# Altium PCB PCB1.PcbDoc (part 1 of 2)
Units mm, origin at the board's own origin, x right, y up, seen from the top; angles counter-clockwise.
Board outline 208 x 86 mm, 2 copper layers (Top Side, Bottom Layer), stack 1.571 mm thick; 59 components, 81 nets, 740 pads, 262 vias.
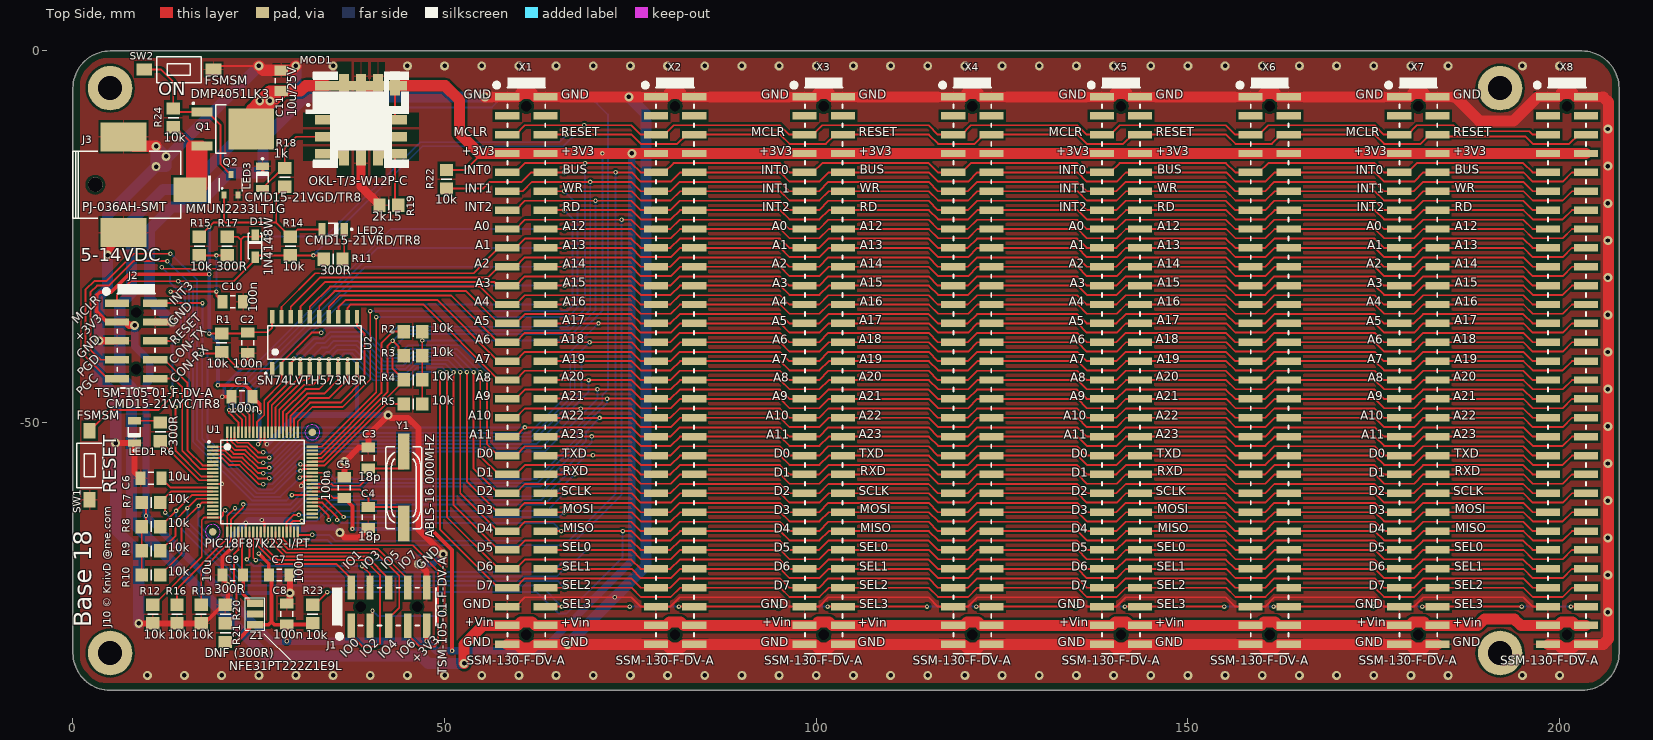
[diagram p0: Top Side view]
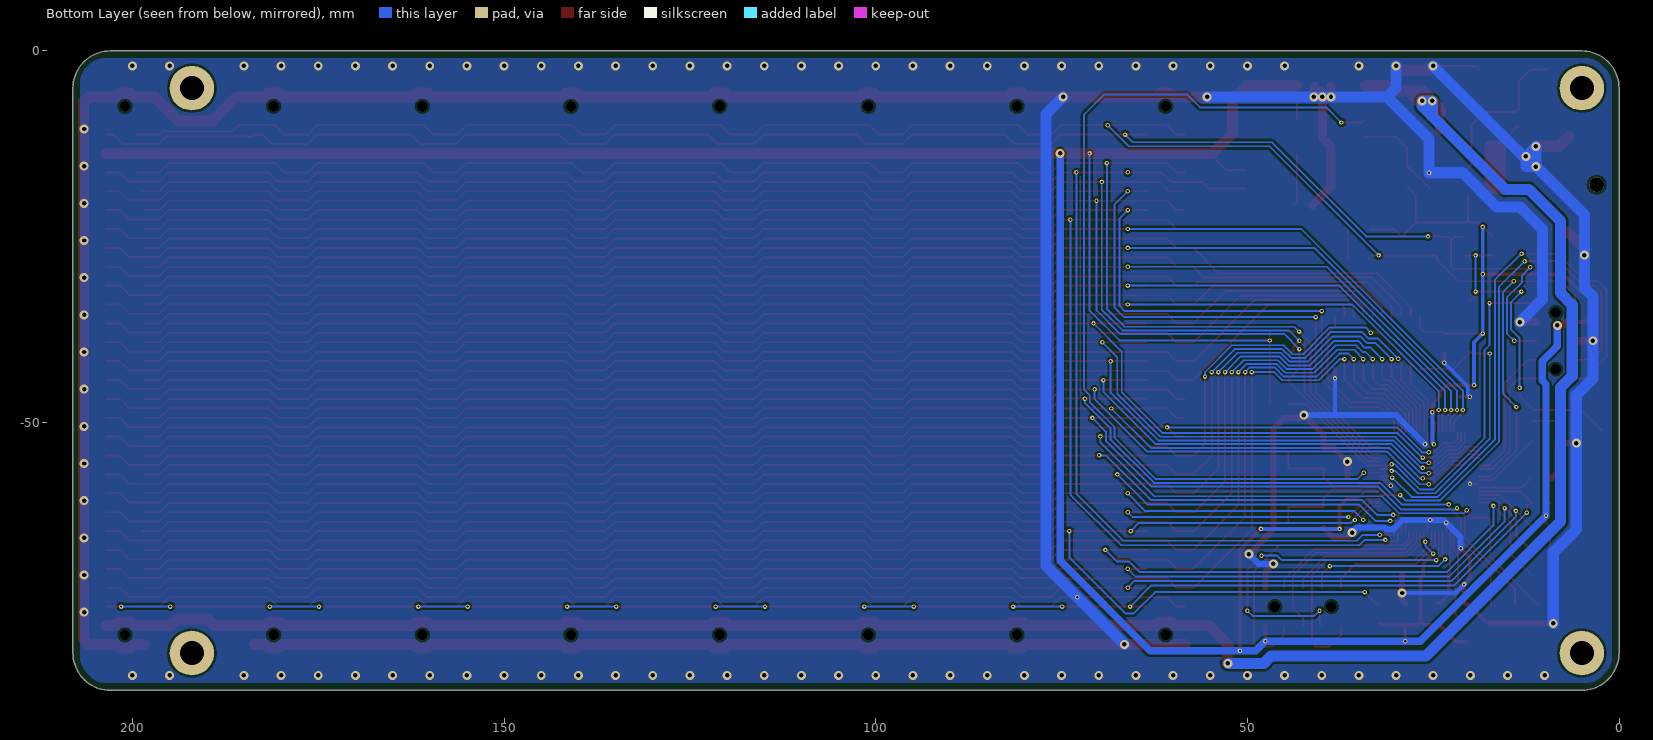
[diagram p1: Bottom Layer view, seen from below]
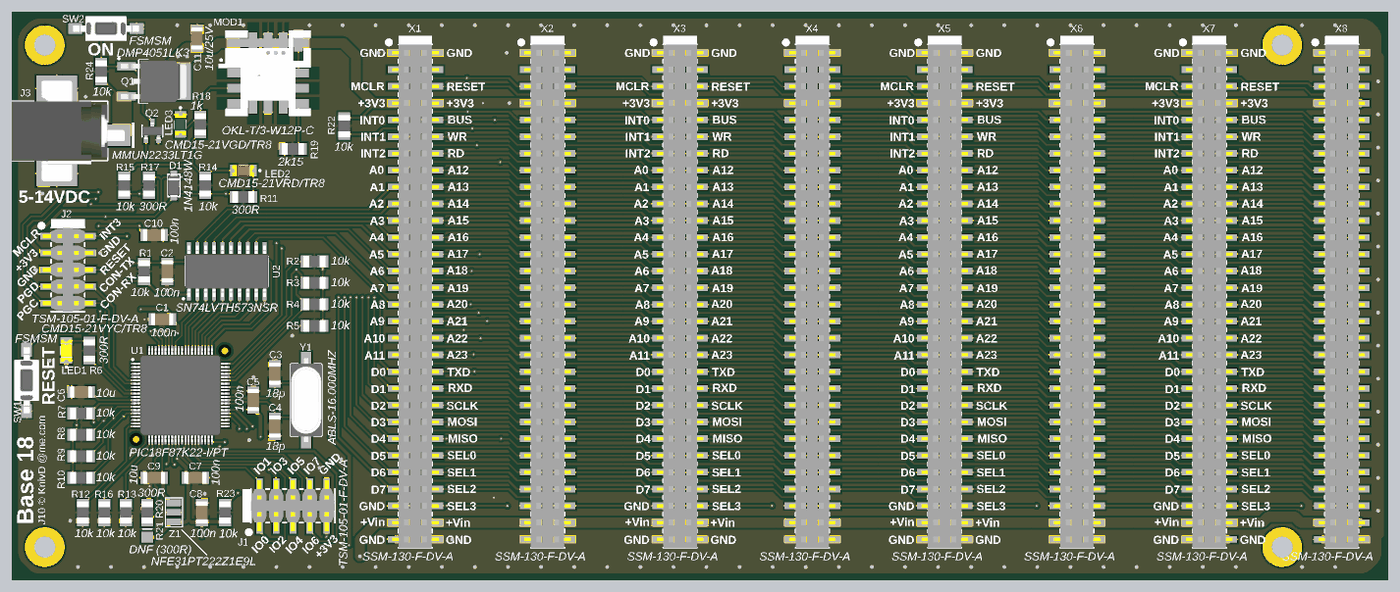
[diagram p3: 3D render of the assembled board from above, using the file's embedded part models]

## Layer stack, top to bottom
Top Solder: solder mask 0.0102, Solder Resist, Dk 3.5
Top Side: signal copper 0.0356
Dielectric 1: core 1.5, FR-4, Dk 4.2
Bottom Layer: signal copper 0.0356
Solder Side: solder mask 0.0102, Solder Resist, Dk 3.5

## Board outline
0,-81 0,-5 cw(c5,-5) 5,0 203,0 cw(c203,-5) 208,-5 208,-81 cw(c203,-81) 203,-86 5,-86 cw(c5,-81)

## Design rules (kind name [scope] priority, off if disabled: settings)
Clearance Clearance_Pour [IsRegion] p1: gap=0.3 ignorepadtopadclearanceinfootprint=TRUE
Clearance [All] p2: gap=0.2 ignorepadtopadclearanceinfootprint=TRUE
Height [All] p1: minheight=0 maxheight=100 prefheight=12.7
HoleSize [All] p1: absolutevalues=TRUE maxlimit=5 minlimit=0.025 maxpercent=80.000 minpercent=20.000
HoleToHoleClearance [All] p1: gap=0 allowstackedmicrovias=TRUE
MinimumSolderMaskSliver [All] p1: minsoldermaskwidth=0
PolygonConnect [All] p1: thpad.connectstyle=Relief thpad.reliefconductorwidth=0.25 thpad.reliefentries=4 thpad.polygonreliefangle="90 Angle" thpad.airgapwidth=0.25 smdpad.connectstyle=Relief smdpad.reliefconductorwidth=0.25 smdpad.reliefentries=4 smdpad.polygonreliefangle="90 Angle" smdpad.airgapwidth=0.25 via.connectstyle=Direct via.reliefconductorwidth=0.254 via.reliefentries=4 via.polygonreliefangle="45 Angle" via.airgapwidth=0.254
RoutingVias [All] p1: holewidth=0.3 width=0.6 viastyle="Through Hole" minholewidth=0.25 minwidth=0.5 maxholewidth=1.5 maxwidth=3
SilkToSilkClearance [All] p1: silktosilkclearance=-10
SilkToSolderMaskClearance [IsPad] p1: minsilkscreentomaskgap=-10 clearancetoexposedcopper=TRUE
SolderMaskExpansion SolderMaskExpansion_VIA [IsVia] p1: expansion=-0.3 soldermaskfromhole=TRUE
SolderMaskExpansion [All] p2: expansion=0.102
Width [All] p1: maxlimit=10 minlimit=0.2 preferedwidth=0.25
24 further rules are at their usual default settings.

## Classes and differential pairs
component class Sheet1: C1 C2 C3 C4 C5 C6 C7 C8 C9 C10 C11 D1 J1 J2 J3 LED1 LED2 LED3 MOD1 Q1 Q2 R1 R2 R3 R4 R5 R6 R7 R8 R9 R10 R11 R12 R13 R14 R15 R16 R17 R18 R19 R20 R21 R22 R23 R24 SW1 SW2 U1 U2 Y1 Z1
component class Sheet2: X1 X2 X3 X4 X5 X6 X7 X8

## Components (designator, comment, footprint, x,y, rotation, side; value= is the part's Value field where it differs from the comment)
C1 "100n" CAPC3216X110N 22.75,-46.5 r180 top
C2 "100n" CAPC3216X110N 23.5,-39.25 r270 top locked
C3 "18p" CAPC3216X110N 39.75,-54.75 r90 top locked
C4 "18p" CAPC3216X110N 39.75,-62.75 r90 top locked
C5 "100n" CAPC3216X110N 36.5,-58.75 r90 top locked
C6 "10u" CAPC3216X110N 10.5,-57.5 r180 top locked
C7 "100n" CAPC3216X110N 27.75,-70.5 r0 top locked
C8 "100n" CAPC3216X110N 28.75,-75.75 r90 top locked
C9 "10u" CAPC3216X110N 21.5,-70.5 r180 top locked
C10 "100n" CAPC3216X110N 21.5,-33.75 r180 top locked
C11 "10u/25V" CAPC3216X110N 28,-4 r90 top locked
D1 "1N4148W" SOD-123 24.5,-26.25 r270 top locked
J1 "TSM-105-01-F-DV-A" 2015-2X05XD 42.5,-74.75 r0 top locked
J2 "TSM-105-01-F-DV-A" 2015-2X05XD 8.5,-39 r270 top locked
J3 "PJ-036AH-SMT" PJ-036AH-SMT 15.75,-18.65 r0 top locked
LED1 "CMD15-21VYC/TR8" LED_OSRAM_LYN971 8.25,-51.25 r90 top locked
LED2 "CMD15-21VRD/TR8" LED_OSRAM_LHN974 35,-24 r180 top locked
LED3 "CMD15-21VGD/TR8" LED_OSRAM_LGN971 25.5,-17 r270 top locked
MOD1 "OKL-T/3-W12P-C" OKL-T/3-W12 38.75,-9.25 r0 top locked
Q1 "DMP4051LK3" TO228P991X239-3N-R546X521 21.5,-10.5 r0 top locked
Q2 "MMUN2233LT1G" SOT23-3 21.25,-18 r0 top locked
R1 "10k" RESC3216X75N 20,-39.25 r90 top locked
R2 "10k" RESC3216X75N 45.75,-37.75 r180 top locked
R3 "10k" RESC3216X75N 45.75,-41 r180 top locked
R4 "10k" RESC3216X75N 45.75,-44.25 r180 top locked
R5 "10k" RESC3216X75N 45.75,-47.5 r180 top locked
R6 "300R" RESC3216X75N 11.75,-51.25 r270 top locked
R7 "10k" RESC3216X75N 10.5,-60.75 r0 top locked
R8 "10k" RESC3216X75N 10.5,-64 r0 top locked
R9 "10k" RESC3216X75N 10.5,-67.25 r0 top locked
R10 "10k" RESC3216X75N 10.5,-70.5 r0 top locked
R11 "300R" RESC3216X75N 35,-28 r0 top locked
R12 "10k" RESC3216X75N 10.75,-75.75 r270 top locked
R13 "10k" RESC3216X75N 17.25,-75.75 r270 top locked
R14 "10k" RESC3216X75N 29.25,-26.25 r90 top locked
R15 "10k" RESC3216X75N 17,-26.25 r90 top locked
R16 "10k" RESC3216X75N 14,-75.75 r270 top locked
R17 "300R" RESC3216X75N 20.75,-26.25 r90 top locked
R18 "1k" RESC3216X75N 28.5,-17 r90 top locked
R19 "2k15" RESC3216X75N 42.5,-20.75 r0 top locked
R20 "300R" RESC3216X75N 20.5,-75.75 r90 top locked
R21 "DNF (300R)" RESC3216X75N 20.5,-78.25 r270 top locked
R22 "10k" RESC3216X75N 50.25,-17.25 r270 top locked
R23 "10k" RESC3216X75N 32.25,-75.75 r90 top locked
R24 "10k" RESC3216X75N 13.5,-9 r270 top locked
SW1 "FSMSM" PB_TYCO_FSMSM 2.25,-55.75 r90 top locked
SW2 "FSMSM" PB_TYCO_FSMSM 14.25,-2.5 r180 top locked
U1 "PIC18F87K22-I/PT" QFP50P1400X1400X120-80N 25.5,-58 r0 top locked
U2 "SN74LVTH573NSR" SOIC127P780X200-20N 32.5,-39.25 r90 top locked
X1 "SSM-130-F-DV-A" 2015-2X30XD 61,-43 r270 top locked
X2 "SSM-130-F-DV-A" 2015-2X30XD 81,-43 r270 top locked
X3 "SSM-130-F-DV-A" 2015-2X30XD 101,-43 r270 top locked
X4 "SSM-130-F-DV-A" 2015-2X30XD 121,-43 r270 top locked
X5 "SSM-130-F-DV-A" 2015-2X30XD 141,-43 r270 top locked
X6 "SSM-130-F-DV-A" 2015-2X30XD 161,-43 r270 top locked
X7 "SSM-130-F-DV-A" 2015-2X30XD 181,-43 r270 top locked
X8 "SSM-130-F-DV-A" 2015-2X30XD 201,-43 r270 top locked
Y1 "ABLS-16.000MHZ" XTAL1140X470X160N 44.5,-58.75 r90 top locked
Z1 "NFE31PT222Z1E9L" NFE31xx 24.5,-75.75 r90 top locked

## Footprints (in the part's own frame and the unit in brackets; to place one, negate y for a bottom-side part, rotate by r counter-clockwise, add the part's x,y. Pads: shape width x height; smd on the part's side, far side on the other; paste and mask are expansions set on the pad)
2015-2X05XD [mm] "Pin Header, 2.54mm x 2.54mm"
  round 0 hole 1.4 unplated: 0(-3.81,0) 0(3.81,0)
  rect 1x3.25 smd: 1(-5.08,-2.575) 2(-5.08,2.575) 3(-2.54,-2.575) 4(-2.54,2.575) 5(0,-2.575) 6(0,2.575) 7(2.54,-2.575) 8(2.54,2.575) 9(5.08,-2.575) 10(5.08,2.575)
  silkscreen extent -7.65,-4.3 6.35,2.54, body extent -6.35,-3.85 6.35,3.85, height 9.65
2015-2X30XD [mm] "Pin Header, 2.54mm x 2.54mm"
  round 0 hole 1.4 unplated: 0(-35.56,0) 0(35.56,0)
  rect 1x3.25 smd: 1(-36.83,-2.575) 2(-36.83,2.575) 3(-34.29,-2.575) 4(-34.29,2.575) 5(-31.75,-2.575) 6(-31.75,2.575) 7(-29.21,-2.575) 8(-29.21,2.575) 9(-26.67,-2.575) 10(-26.67,2.575) 11(-24.13,-2.575) 12(-24.13,2.575) 13(-21.59,-2.575) 14(-21.59,2.575) 15(-19.05,-2.575) 16(-19.05,2.575) 17(-16.51,-2.575) 18(-16.51,2.575) 19(-13.97,-2.575) 20(-13.97,2.575) 21(-11.43,-2.575) 22(-11.43,2.575) 23(-8.89,-2.575) 24(-8.89,2.575) 25(-6.35,-2.575) 26(-6.35,2.575) 27(-3.81,-2.575) 28(-3.81,2.575) 29(-1.27,-2.575) 30(-1.27,2.575) 31(1.27,-2.575) 32(1.27,2.575) 33(3.81,-2.575) 34(3.81,2.575) 35(6.35,-2.575) 36(6.35,2.575) 37(8.89,-2.575) 38(8.89,2.575) 39(11.43,-2.575) 40(11.43,2.575) 41(13.97,-2.575) 42(13.97,2.575) 43(16.51,-2.575) 44(16.51,2.575) 45(19.05,-2.575) 46(19.05,2.575) 47(21.59,-2.575) 48(21.59,2.575) 49(24.13,-2.575) 50(24.13,2.575) 51(26.67,-2.575) 52(26.67,2.575) 53(29.21,-2.575) 54(29.21,2.575) 55(31.75,-2.575) 56(31.75,2.575) 57(34.29,-2.575) 58(34.29,2.575) 59(36.83,-2.575) 60(36.83,2.575)
  silkscreen extent -39.4,-4.3 38.1,2.54, body extent -38.1,-3.52 38.1,3.52, height 7.37
CAPC3216X110N [mm] "Chip Capacitor, Body 3.2x1.6mm, IPC Medium Density"
  rect 1.35x1.8 smd: 1(-1.4,0) 2(1.4,0)
  silkscreen extent -0.35,-0.8 0.35,0.8, body extent -1.7,-0.9 1.7,0.9, height 1.1
LED_OSRAM_LGN971 [mm] "Green Chip LED, 2-Leads, Body 3.2 x1.6mm, IPC Medium Density"
  rect 1x1.75 smd: 1(-1.5,0) 2(1.5,0)
  silkscreen extent -2.62,-0.8 0.65,0.8, body extent -1.65,-0.85 1.65,0.85, height 1.2
LED_OSRAM_LHN974 [mm] "Red Chip LED, 2-Leads, Body 3.2 x1.6mm, IPC Medium Density"
  rect 1x1.75 smd: 1(-1.5,0) 2(1.5,0)
  silkscreen extent -2.63,-0.8 0.65,0.8, body extent -1.65,-0.85 1.65,0.85, height 1.2
LED_OSRAM_LYN971 [mm] "Yellow Chip LED, 2-Leads, Body 3.2 x1.6mm, IPC Medium Density"
  rect 1x1.75 smd: 1(-1.5,0) 2(1.5,0)
  silkscreen extent -2.62,-0.8 0.65,0.8, body extent -1.65,-0.85 1.65,0.85, height 1.2
NFE31xx [mm] "On-Board Type (DC) EMI Suppression Filters (EMIFIL)"
  rect 1.05x2.2 smd: 1(-1.45,0) 3(1.45,0)
  rect 1x2.2 smd: 2(0,0)
  silkscreen extent -2.2,-1.3 2.2,1.3, body extent -1.6,-0.8 1.6,0.8, height 1.6
OKL-T/3-W12 [mm] "[Murata] 12.7x12.7mm 3A DC-DC module"
  rect 3.2x1.3 smd: 1(-4.57,0) 2(-4.57,4.57) 4(4.57,4.57) 5(4.57,0) 6(4.57,-4.57) 9(-4.57,-4.57) 10(-4.57,-2.29) 11(4.57,-2.29)
  rect 3.26x1.3 smd: 2(-4.57,4.57)
  rect 1.3x3.2 smd: 2(-2.29,4.57) 3(0,4.57) 3(2.29,4.57) 7(0,-4.57) 8(-2.29,-4.57) 12(2.29,-4.57)
  rect 3.585x1.3 smd: 3(-0.15,4.57)
  rect 1.3x3.26 smd: 4(4.57,4.895)
  silkscreen extent -7.47,-6.48 6.47,6.47, body extent -6.48,-6.48 6.47,6.48, height 5.2
PB_TYCO_FSMSM [mm] "Body 3.5x6.0mm, Pushbutton Switch,  TYCO FSMSM Serie"
  rect 2.1x1.6 smd: 1(-4.65,0) 2(4.65,0)
  silkscreen extent -3,-1.75 3,1.75, body extent -5,-1.75 5,1.75, height 4.3
PJ-036AH-SMT [mm] "[CUI] Barrel Jack ID 2.1/5.5mm"
  round 2 hole 2 unplated: 0(-12.75,0.65)
  rect 4.4x3.3 smd: 1(0,0)
  rect 6.2x3.9 smd: 2(-8.95,7.1) 3(-8.95,-5.8)
  silkscreen extent -15.75,-3.85 2.8,5.15, body extent -15.75,-6.95 1.35,8.25, height 11
QFP50P1400X1400X120-80N [mm] "QFP, 0.50mm Pitch, Square, 80 pin, 12mm L X12mm  W X 1.2mm H, IPC Medium Density"
  rect 1.5x0.3 smd: 1(-6.7,4.75) 2(-6.7,4.25) 3(-6.7,3.75) 4(-6.7,3.25) 5(-6.7,2.75) 6(-6.7,2.25) 7(-6.7,1.75) 8(-6.7,1.25) 9(-6.7,0.75) 10(-6.7,0.25) 11(-6.7,-0.25) 12(-6.7,-0.75) 13(-6.7,-1.25) 14(-6.7,-1.75) 15(-6.7,-2.25) 16(-6.7,-2.75) 17(-6.7,-3.25) 18(-6.7,-3.75) 19(-6.7,-4.25) 20(-6.7,-4.75) 41(6.7,-4.75) 42(6.7,-4.25) 43(6.7,-3.75) 44(6.7,-3.25) 45(6.7,-2.75) 46(6.7,-2.25) 47(6.7,-1.75) 48(6.7,-1.25) 49(6.7,-0.75) 50(6.7,-0.25) 51(6.7,0.25) 52(6.7,0.75) 53(6.7,1.25) 54(6.7,1.75) 55(6.7,2.25) 56(6.7,2.75) 57(6.7,3.25) 58(6.7,3.75) 59(6.7,4.25) 60(6.7,4.75)
  rect 0.3x1.5 smd: 21(-4.75,-6.7) 22(-4.25,-6.7) 23(-3.75,-6.7) 24(-3.25,-6.7) 25(-2.75,-6.7) 26(-2.25,-6.7) 27(-1.75,-6.7) 28(-1.25,-6.7) 29(-0.75,-6.7) 30(-0.25,-6.7) 31(0.25,-6.7) 32(0.75,-6.7) 33(1.25,-6.7) 34(1.75,-6.7) 35(2.25,-6.7) 36(2.75,-6.7) 37(3.25,-6.7) 38(3.75,-6.7) 39(4.25,-6.7) 40(4.75,-6.7) 61(4.75,6.7) 62(4.25,6.7) 63(3.75,6.7) 64(3.25,6.7) 65(2.75,6.7) 66(2.25,6.7) 67(1.75,6.7) 68(1.25,6.7) 69(0.75,6.7) 70(0.25,6.7) 71(-0.25,6.7) 72(-0.75,6.7) 73(-1.25,6.7) 74(-1.75,6.7) 75(-2.25,6.7) 76(-2.75,6.7) 77(-3.25,6.7) 78(-3.75,6.7) 79(-4.25,6.7) 80(-4.75,6.7)
  round 1 smd paste-0.51 mask+0.5: FTG1(-6.7,-6.7) FTG2(6.7,6.7)
  Top Side keep-out circle w0.1: c-6.7,-6.7 r1
  Top Side keep-out circle w0.1: c6.7,6.7 r1
  silkscreen extent -7.32,-5.62 5.62,5.62, body extent -7.1,-7.1 7.1,7.1, height 1.2
RESC3216X75N [mm] "Chip Resistor, EIA 1206, Metric 3216, Body 3.2x1.6mm, IPC Medium Density"
  rect 1.65x1.8 smd: 1(-1.25,0) 2(1.25,0)
  silkscreen extent 0,-0.7 0,0.7, body extent -1.67,-0.87 1.68,0.88, height 0.75
SOD-123 [mm] "SOD-123/SOD-123F package"
  rect 1.5x1 smd: 1(-1.5,0) 2(1.5,0)
  silkscreen extent -1.7,-0.9 1.7,0.9, body extent -1.75,-0.9 1.75,0.9, height 1
SOIC127P780X200-20N [mm] "SOIC, 1.27mm Pitch; 20 Pin, 5.30mm W X 12.60mm L X 2.00mm H body, IPC Medium Density"
  rect 1.85x0.6 smd: 1(-3.5,5.715) 2(-3.5,4.445) 3(-3.5,3.175) 4(-3.5,1.905) 5(-3.5,0.635) 6(-3.5,-0.635) 7(-3.5,-1.905) 8(-3.5,-3.175) 9(-3.5,-4.445) 10(-3.5,-5.715) 11(3.5,-5.715) 12(3.5,-4.445) 13(3.5,-3.175) 14(3.5,-1.905) 15(3.5,-0.635) 16(3.5,0.635) 17(3.5,1.905) 18(3.5,3.175) 19(3.5,4.445) 20(3.5,5.715)
  silkscreen extent -4.27,-6.3 2.25,6.67, body extent -3.9,-6.3 3.9,6.3, height 2
SOT23-3 [mm] "SOT23-3 Package"
  rect 0.69x0.99 smd: 1(-0.95,-1.375) 2(0.95,-1.375) 3(0,1.375)
  silkscreen extent -1.55,-0.9 1.55,0.9, body extent -1.5,-1.25 1.5,1.25, height 1.2
TO228P991X239-3N-R546X521 [mm] "TO-252AA DPAK TO, 2.28mm pitch; 2 pin,9.905mm L X 6.095mm W X 2.39mm H body, IPC Medium Density"
  rect 2.85x1.25 smd: 1(-4.15,2.28) 2(-4.15,-2.28)
  rect 6.1x5.55 smd: 3(2.5,0)
  silkscreen extent -5.42,-3.25 -0.9,3.57, body extent -4.99,-3.27 4.95,3.27, height 2.28
XTAL1140X470X160N [mm] "HC/49US Crystal;11.40mm L X 4.70mm W X 1.60mm H"
  rect 4.85x1.55 smd: 1(-4.85,0) 2(4.85,0)
  silkscreen extent -5.53,-2.4 5.53,2.4, body extent -6.35,-2.4 6.35,2.4, height 1.6

## Part data
C1 C2 C3 C4 C5 C6 C7 C8 C9 C10 C11: library part Capacitor, "Capacitor"
  C11: Note=10u
D1: library part "Diode Schottky", "Schottky diode"
J1 J2: library part "Connector 2x5", "Dual row, 10-way connector"
J3: library part LUMBERG_161314, "2.1/5.5mm barrel power jack, SMT", Author="CERN DEM JLC", ComponentHeight=11mm, Component Type=Standard
LED1 LED2 LED3: library part LED, "Light Emitting Diode"
MOD1: library part OKL-T/3-W12, "Programmable Output 3-Amp iLGA SMT PoLs", Manufacturer=Murata
Q1: library part P-FET, "P-channel FET transistor"
Q2: library part "NPN BIASED", "NPN biased bipolar transistor"
R1 R2 R3 R4 R5 R6 R7 R8 R9 R10 R11 R12 R13 R14 R15 R16 R17 R18 R19 R20 R21 R22 R23 R24: library part Resistor, "Resistor"
SW1 SW2: library part "Switch MNO SPST", "Switch, Momentary, Normal Open"
U1: library part PIC18F87K22, "High-Performance, 1-Mbit Enhanced Flash MCUs  with 12-Bit A/D and XLP Technology", Manufacturer=Microchip, Packages="I/PT (TQFP80-12x12mm); I/MR (QFN80-9x9mm)"
U2: library part 74xxx373, "A Octal Transparent D-Type Latches With 3-State Outputs"
X1 X2 X3 X4 X5 X6 X7 X8: library part "Connector 2x30", "Dual row, 60-way connector"
Y1: library part Crystal, "Crystal Resonator"
Z1: library part Filter, "Hybrid filter"

## Free pads (board coordinates)
  round 6 hole 3.2 unplated: 0(5,-81) 0(5,-5) 0(192,-81) 0(192,-5)

## Via types
v1: diameter 0.6, hole 0.3, Top Side to Bottom Layer, tented both sides, 151 vias
v2: diameter 1.2, hole 0.6, Top Side to Bottom Layer, tented both sides, 111 vias

## Nets (pads, with @x,y where several pads share a name; then routed paths per layer and width w, separated by ;. In a path a pad name is that pad's centre, name@x,y a point inside that pad or via, vN(x,y) a via of type N, cw(c..) or ccw(c..) an arc to the next point about the centre after c; other vN are vias at no path point)
+3V3: C1.1 C2.1 C5.1 C7.1 C8.1 J1.9 J2.3 LED2.2 MOD1.4 MOD1.5 Q2.1 R1.2 R2.1 R3.1 R4.1 R5.1 R7.1 R8.1 R9.1 R10.1 R14.2 R15.2 R18.1 R21.2 R22.1 R23.1 U1.32 U1.48 U1.71 U2.20 X1.7 X1.8 X2.7 X2.8 X3.7 X3.8 X4.7 X4.8 X5.7 X5.8 X6.7 X6.8 X7.7 X7.8 X8.7 X8.8 Z1.1 | length 569.7
  Top Side w0.25: R10.1@9.25,-70.5 R9.1@9.25,-67.25 R8.1@9.25,-64 9.825,-63.425 v1(9.825,-62.525) 9.825,-61.325 R7.1@9.25,-60.75 ; R15.2@17,-25 18.9,-23.1 20.025,-23.1 20.3,-22.825 ; v1(18.325,-38.025) 19.975,-38.025 R1.2@20,-38 23.35,-38 C2.1@23.5,-37.85 26.15,-37.85 26.785,-37.215 U2.20@26.785,-35.75 ; Q2.1@20.3,-19.375 20.3,-22.825 ; v1(24.9,-52.9) 25.25,-52.55 U1.71@25.25,-51.3 ; v1(26.05,-66.025) 26.25,-65.825 U1.32@26.25,-64.7 ; C7.1@26.3,-70.45 C7.1@26.35,-70.5 ; R18.1@28.5,-18.25 27.35,-19.4 27.35,-23.1 ; U1.48@32.2,-59.25 34.15,-59.25 35.05,-60.15 C5.1@36.5,-60.15 ; LED2.2@33.5,-24 30.25,-24 R14.2@29.25,-25 27.35,-23.1 ; MOD1.5@43.32,-9.25 MOD1.4@43.32,-4.68 ; R5.1@47,-47.5 R4.1@47,-44.25 R3.1@47,-41 R2.1@47,-37.75 ; R22.1@50.25,-16 52.825,-16 54.69,-14.135 54.69,-13.79 ; 20.3,-22.825 20.575,-23.1 27.35,-23.1
  Top Side w0.5: J2.3@5.925,-36.46 4.585,-36.46 3.175,-35.05 3.175,-32.875 3.6,-32.45 5.125,-32.45 7.55,-30.025 v1(18.325,-30.025) ; v1(19.5,-44.975) 23.225,-44.975 24.15,-45.9 C1.1@24.15,-46.5 25.1,-47.45 v1(25.1,-48.6) ; R21.2@20.5,-79.5 21.925,-79.5 24.225,-77.2 Z1.1@24.5,-77.2 26.3,-77.2 26.7,-76.8 ; v1(25,-67.625) 26.35,-68.975 C7.1@26.35,-70.5 26.7,-70.85 26.7,-76.8 ; v1(28.75,-79.425) C8.1@28.75,-77.15 ; R23.1@32.25,-77 32.1,-77.15 C8.1@28.75,-77.15 ; C5.1@36.5,-60.15 37.6,-61.25 v1(37.6,-64.3) ; v1(47.575,-79.425) 47.575,-77.33 J1.9@47.58,-77.325 ; v1(48.175,-64.3) 51,-67.125 v1(51,-80.7) ; 26.7,-76.8 27.1,-77.2 28.7,-77.2 C8.1@28.75,-77.15
  Top Side w1: J2.3@5.925,-36.46 7.085,-36.46 7.55,-36.925 v2(8.3,-36.925)
  Top Side w1.5: MOD1.4@43.32,-4.68 50.08,-4.68 52,-6.6 52,-11.1 54.69,-13.79 X1.7@58.425,-13.79 X1.8@63.575,-13.79 v1(71.225,-13.79) v2(75.2,-13.79) X2.7@78.425,-13.79 X2.8@83.575,-13.79 X3.7@98.425,-13.79 X3.8@103.575,-13.79 X4.7@118.425,-13.79 X4.8@123.575,-13.79 X5.7@138.425,-13.79 X5.8@143.575,-13.79 X6.7@158.425,-13.79 X6.8@163.575,-13.79 X7.7@178.425,-13.79 X7.8@183.575,-13.79 X8.7@198.425,-13.79 X8.8@203.575,-13.79
  Bottom Layer w0.25: v1(25,-67.625) 26.05,-66.575 v1(26.05,-66.025) ; v1(47,-38.95) 67.2,-38.95 71.225,-34.925 v1(71.225,-13.79)
  Bottom Layer w0.5: v1(18.325,-23.675) v1(18.325,-30.025) v1(18.325,-38.025) 19.5,-39.2 v1(19.5,-44.975) ; v1(24.9,-52.9) 25.1,-52.7 v1(25.1,-48.6) ; v1(37.6,-64.3) v1(48.175,-64.3)
  Bottom Layer w1: v2(8.3,-36.925) 8.3,-39.7 10.35,-41.75 10.35,-44.325 9.825,-44.85 v1(9.825,-62.525) 26.725,-79.425 v1(28.75,-79.425) v1(47.575,-79.425) 48.85,-80.7 v1(51,-80.7) 63.1,-80.7 75.2,-68.6 v2(75.2,-13.79)
+VIN: C11.1 MOD1.2 Q1.3 X1.57 X1.58 X2.57 X2.58 X3.57 X3.58 X4.57 X4.58 X5.57 X5.58 X6.57 X6.58 X7.57 X7.58 X8.57 X8.58 | length 301
  Top Side w1.5: Q1.3@24,-10.5 24,-9.725 C11.1@28.325,-5.4 ; Q1.3@24,-8.375 24,-7.85 v2(25.125,-6.725) 26.45,-5.4 C11.1@28,-5.4 C11.1@28.325,-5.4 ; MOD1.2@34.18,-4.68 31.32,-4.68 30.6,-5.4 C11.1@28.325,-5.4 ; v2(52.625,-82.4) 52.625,-79.85 55.185,-77.29 X1.57@58.425,-77.29 59.795,-77.29 60.275,-76.81 61.725,-76.81 62.205,-77.29 X1.58@63.575,-77.29 X2.57@78.425,-77.29 79.795,-77.29 80.275,-76.81 81.725,-76.81 82.205,-77.29 X2.58@83.575,-77.29 X3.57@98.425,-77.29 99.795,-77.29 100.275,-76.81 101.725,-76.81 102.205,-77.29 X3.58@103.575,-77.29 X4.57@118.425,-77.29 119.795,-77.29 120.275,-76.81 121.725,-76.81 122.205,-77.29 X4.58@123.575,-77.29 X5.57@138.425,-77.29 ; X5.57@138.425,-77.29 139.795,-77.29 140.275,-76.81 141.725,-76.81 142.205,-77.29 X5.58@143.575,-77.29 X6.57@158.425,-77.29 159.795,-77.29 160.275,-76.81 161.725,-76.81 162.205,-77.29 X6.58@163.575,-77.29 X7.57@178.425,-77.29 179.795,-77.29 180.275,-76.81 181.725,-76.81 182.205,-77.29 X7.58@183.575,-77.29 189.01,-77.29 189.9,-76.4 193.9,-76.4 194.79,-77.29 X8.57@198.425,-77.29 199.795,-77.29 200.275,-76.81 201.725,-76.81 202.205,-77.29 X8.58@203.575,-77.29